# Altium PCB mother_board.PcbDoc (part 3 of 5) (continued)
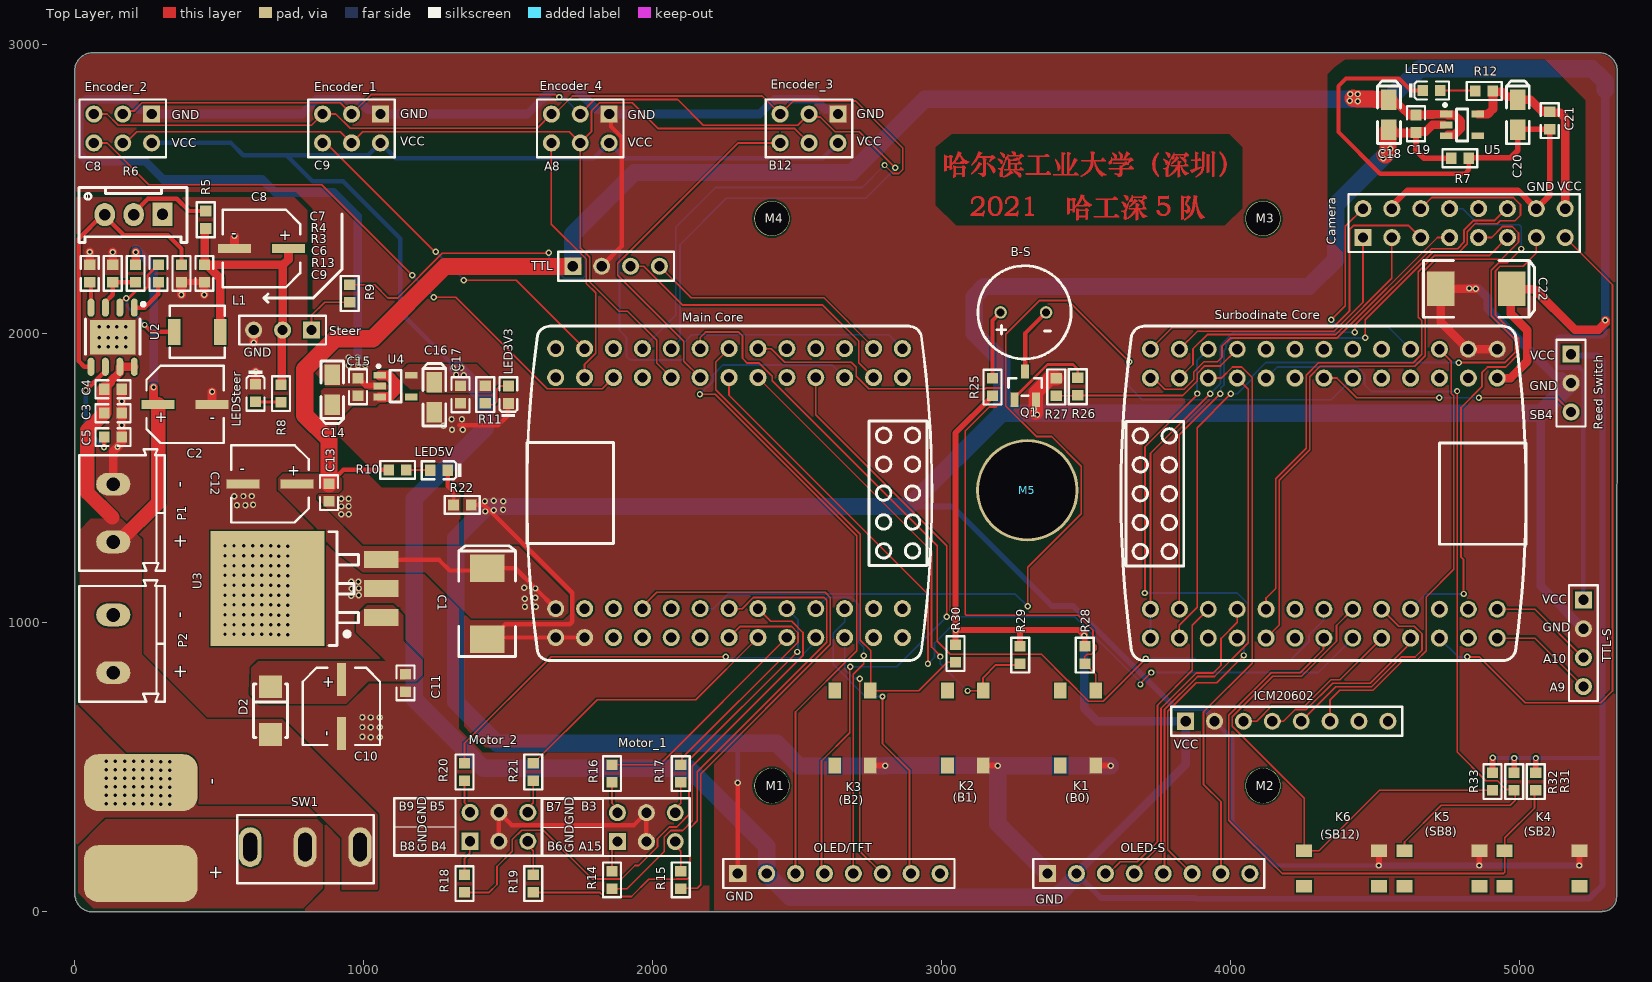
[diagram p0: Top Layer view]
## Nets (pads, with @x,y where several pads share a name; then routed paths per layer and width w, separated by ;. In a path a pad name is that pad's centre, name@x,y a point inside that pad or via, vN(x,y) a via of type N, cw(c..) or ccw(c..) an arc to the next point about the centre after c; other vN are vias at no path point) (continued)
; 3199.7,2600.25 3210.2,2600.25 ; 3200.75,2434.35 3209.15,2434.35 ; 3200.75,2435.4 3209.15,2435.4 ; 3200.75,2436.45 3209.15,2436.45 ; 3200.75,2437.5 3209.15,2437.5 ; 3200.75,2438.55 3209.15,2438.55 ; 3200.75,2439.6 3209.15,2439.6 ; 3200.75,2440.65 3209.15,2440.65 ; 3200.75,2441.7 3209.15,2441.7 ; 3200.75,2442.75 3209.15,2442.75 ; 3200.75,2443.8 3209.15,2443.8 ; 3200.75,2444.85 3209.15,2444.85 ; 3200.75,2445.9 3209.15,2445.9 ; 3200.75,2446.95 3209.15,2446.95 ; 3200.75,2448 3209.15,2448 ; 3200.75,2449.05 3209.15,2449.05 ; 3200.75,2450.1 3209.15,2450.1 ; 3200.75,2451.15 3209.15,2451.15 ; 3200.75,2452.2 3209.15,2452.2 ; 3200.75,2548.8 3211.25,2548.8 ; 3200.75,2549.85 3211.25,2549.85 ; 3200.75,2550.9 3211.25,2550.9 ; 3200.75,2551.95 3211.25,2551.95 ; 3200.75,2553 3211.25,2553 ; 3200.75,2554.05 3211.25,2554.05 ; 3200.75,2570.85 3211.25,2570.85 ; 3200.75,2598.15 3211.25,2598.15 ; 3200.75,2599.2 3210.2,2599.2 ; 3201.8,2546.7 3211.25,2546.7 ; 3201.8,2547.75 3211.25,2547.75 ; 3201.8,2555.1 3211.25,2555.1 ; 3201.8,2556.15 3211.25,2556.15 ; 3201.8,2557.2 3211.25,2557.2 ; 3201.8,2569.8 3211.25,2569.8 ; 3201.8,2597.1 3211.25,2597.1 ; 3202.85,2545.65 3211.25,2545.65 ; 3202.85,2558.25 3211.25,2558.25 ; 3202.85,2559.3 3211.25,2559.3 ; 3202.85,2560.35 3211.25,2560.35 ; 3202.85,2561.4 3211.25,2561.4 ; 3202.85,2568.75 3211.25,2568.75 ; 3202.85,2574 3212.3,2574 ; 3202.85,2595 3210.2,2595 ; 3202.85,2596.05 3211.25,2596.05 ; 3202.85,2626.5 3209.15,2626.5 ; 3202.85,2627.55 3207.05,2627.55 ; 3202.85,2628.6 3204.95,2628.6 ; 3203.9,2562.45 3211.25,2562.45 ; 3203.9,2563.5 3211.25,2563.5 ; 3203.9,2564.55 3211.25,2564.55 ; 3203.9,2565.6 3211.25,2565.6 ; 3203.9,2566.65 3211.25,2566.65 ; 3203.9,2567.7 3211.25,2567.7 ; 3203.9,2592.9 3210.2,2592.9 ; 3203.9,2593.95 3210.2,2593.95 ; 3203.9,2625.45 3211.25,2625.45 ; 3204.95,2544.6 3210.2,2544.6 ; 3204.95,2590.8 3209.15,2590.8 ; 3204.95,2591.85 3209.15,2591.85 ; 3204.95,2624.4 3213.35,2624.4 ; 3206,2575.05 3212.3,2575.05 ; 3206,2622.3 3217.55,2622.3 ; 3206,2623.35 3215.45,2623.35 ; 3207.05,2576.1 3213.35,2576.1 ; 3207.05,2621.25 3218.6,2621.25 ; 3208.1,2577.15 3213.35,2577.15 ; 3208.1,2578.2 3213.35,2578.2 ; 3208.1,2619.15 3218.6,2619.15 ; 3208.1,2620.2 3218.6,2620.2 ; 3209.15,2579.25 3214.4,2579.25 ; 3209.15,2580.3 3214.4,2580.3 ; 3209.15,2618.1 3218.6,2618.1 ; 3210.2,2581.35 3214.4,2581.35 ; 3210.2,2582.4 3215.45,2582.4 ; 3210.2,2616 3218.6,2616 ; 3210.2,2617.05 3218.6,2617.05 ; 3211.25,2583.45 3215.45,2583.45 ; 3211.25,2584.5 3215.45,2584.5 ; 3211.25,2613.9 3217.55,2613.9 ; 3211.25,2614.95 3218.6,2614.95 ; 3212.3,2585.55 3216.5,2585.55 ; 3212.3,2586.6 3216.5,2586.6 ; 3212.3,2611.8 3216.5,2611.8 ; 3212.3,2612.85 3217.55,2612.85 ; 3213.35,2543.55 3218.6,2543.55 ; 3213.35,2587.65 3217.55,2587.65 ; 3213.35,2588.7 3217.55,2588.7 ; 3213.35,2610.75 3215.45,2610.75 ; 3214.4,2542.5 3215.45,2542.5 ; 3214.4,2589.75 3217.55,2589.75 ; 3214.4,2590.8 3218.6,2590.8 ; 3215.45,2544.6 3220.7,2544.6 ; 3215.45,2591.85 3218.6,2591.85 ; 3215.45,2592.9 3218.6,2592.9 ; 3216.5,2545.65 3223.85,2545.65 ; 3216.5,2567.7 3283.7,2567.7 ; 3216.5,2568.75 3283.7,2568.75 ; 3216.5,2569.8 3282.65,2569.8 ; 3216.5,2593.95 3219.65,2593.95 ; 3216.5,2595 3219.65,2595 ; 3216.5,2596.05 3219.65,2596.05 ; 3217.55,2597.1 3220.7,2597.1 ; 3217.55,2598.15 3220.7,2598.15 ; 3218.6,2411.25 3263.75,2411.25 ; 3218.6,2412.3 3263.75,2412.3 ; 3218.6,2413.35 3263.75,2413.35 ; 3218.6,2414.4 3263.75,2414.4 ; 3218.6,2546.7 3225.95,2546.7 ; 3218.6,2599.2 3221.75,2599.2 ; 3218.6,2600.25 3221.75,2600.25 ; 3219.65,2415.45 3264.8,2415.45 ; 3219.65,2547.75 3228.05,2547.75 ; 3219.65,2601.3 3221.75,2601.3 ; 3219.65,2602.35 3222.8,2602.35 ; 3219.65,2605.5 3228.05,2605.5 ; 3219.65,2606.55 3229.1,2606.55 ; 3219.65,2607.6 3230.15,2607.6 ; 3219.65,2608.65 3230.15,2608.65 ; 3220.7,2416.5 3264.8,2416.5 ; 3220.7,2452.2 3224.9,2452.2 ; 3220.7,2453.25 3224.9,2453.25 ; 3220.7,2454.3 3224.9,2454.3 ; 3220.7,2455.35 3224.9,2455.35 ; 3220.7,2456.4 3224.9,2456.4 ; 3220.7,2457.45 3224.9,2457.45 ; 3220.7,2458.5 3224.9,2458.5 ; 3220.7,2459.55 3224.9,2459.55 ; 3220.7,2460.6 3225.95,2460.6 ; 3220.7,2461.65 3225.95,2461.65 ; 3220.7,2462.7 3225.95,2462.7 ; 3220.7,2548.8 3230.15,2548.8 ; 3220.7,2603.4 3222.8,2603.4 ; 3220.7,2604.45 3225.95,2604.45 ; 3220.7,2609.7 3231.2,2609.7 ; 3221.75,2463.75 3227,2463.75 ; 3221.75,2464.8 3227,2464.8 ; 3221.75,2610.75 3231.2,2610.75 ; 3222.8,2417.55 3264.8,2417.55 ; 3222.8,2465.85 3228.05,2465.85 ; 3222.8,2466.9 3229.1,2466.9 ; 3222.8,2549.85 3231.2,2549.85 ; 3222.8,2611.8 3231.2,2611.8 ; 3223.85,2418.6 3230.15,2418.6 ; 3223.85,2467.95 3230.15,2467.95 ; 3223.85,2550.9 3233.3,2550.9 ; 3223.85,2612.85 3231.2,2612.85 ; 3224.9,2419.65 3232.25,2419.65 ; 3224.9,2469 3231.2,2469 ; 3224.9,2470.05 3233.3,2470.05 ; 3224.9,2551.95 3235.4,2551.95 ; 3224.9,2613.9 3231.2,2613.9 ; 3225.95,2420.7 3233.3,2420.7 ; 3225.95,2471.1 3235.4,2471.1 ; 3225.95,2553 3236.45,2553 ; 3225.95,2614.95 3231.2,2614.95 ; 3227,2554.05 3238.55,2554.05 ; 3227,2616 3283.7,2616 ; 3227,2617.05 3282.65,2617.05 ; 3228.05,2421.75 3235.4,2421.75 ; 3228.05,2472.15 3259.55,2472.15 ; 3228.05,2618.1 3282.65,2618.1 ; 3228.05,2619.15 3231.2,2619.15 ; 3228.05,2620.2 3231.2,2620.2 ; 3229.1,2422.8 3236.45,2422.8 ; 3229.1,2473.2 3257.45,2473.2 ; 3229.1,2555.1 3240.65,2555.1 ; 3229.1,2621.25 3231.2,2621.25 ; 3229.1,2622.3 3231.2,2622.3 ; 3230.15,2423.85 3238.55,2423.85 ; 3230.15,2556.15 3241.7,2556.15 ; 3230.15,2570.85 3237.5,2570.85 ; 3230.15,2571.9 3237.5,2571.9 ; 3230.15,2572.95 3237.5,2572.95 ; 3230.15,2574 3237.5,2574 ; 3230.15,2575.05 3237.5,2575.05 ; 3230.15,2576.1 3237.5,2576.1 ; 3230.15,2577.15 3237.5,2577.15 ; 3230.15,2578.2 3237.5,2578.2 ; 3230.15,2579.25 3237.5,2579.25 ; 3230.15,2580.3 3237.5,2580.3 ; 3230.15,2581.35 3237.5,2581.35 ; 3230.15,2582.4 3237.5,2582.4 ; 3230.15,2583.45 3237.5,2583.45 ; 3230.15,2584.5 3237.5,2584.5 ; 3230.15,2585.55 3237.5,2585.55 ; 3230.15,2586.6 3237.5,2586.6 ; 3230.15,2587.65 3237.5,2587.65 ; 3230.15,2588.7 3277.4,2588.7 ; 3230.15,2589.75 3277.4,2589.75 ; 3230.15,2590.8 3276.35,2590.8 ; 3230.15,2591.85 3237.5,2591.85 ; 3230.15,2592.9 3237.5,2592.9 ; 3230.15,2593.95 3237.5,2593.95 ; 3230.15,2595 3237.5,2595 ; 3230.15,2596.05 3237.5,2596.05 ; 3230.15,2597.1 3237.5,2597.1 ; 3230.15,2598.15 3237.5,2598.15 ; 3230.15,2599.2 3237.5,2599.2 ; 3230.15,2600.25 3250.1,2600.25 ; 3230.15,2601.3 3258.5,2601.3 ; 3230.15,2602.35 3238.55,2602.35 ; 3230.15,2603.4 3236.45,2603.4 ; 3230.15,2604.45 3235.4,2604.45 ; 3230.15,2605.5 3233.3,2605.5 ; 3230.15,2606.55 3231.2,2606.55 ; 3231.2,2474.25 3256.4,2474.25 ; 3231.2,2557.2 3246.95,2557.2 ; 3232.25,2424.9 3239.6,2424.9 ; 3232.25,2558.25 3246.95,2558.25 ; 3233.3,2425.95 3240.65,2425.95 ; 3233.3,2475.3 3254.3,2475.3 ; 3233.3,2559.3 3245.9,2559.3 ; 3234.35,2427 3242.75,2427 ; 3234.35,2560.35 3244.85,2560.35 ; 3235.4,2428.05 3243.8,2428.05 ; 3235.4,2561.4 3243.8,2561.4 ; 3236.45,2476.35 3251.15,2476.35 ; 3236.45,2562.45 3241.7,2562.45 ; 3236.45,2563.5 3240.65,2563.5 ; 3237.5,2429.1 3245.9,2429.1 ; 3237.5,2564.55 3238.55,2564.55 ; 3238.55,2430.15 3246.95,2430.15 ; 3239.6,2431.2 3248,2431.2 ; 3239.6,2602.35 3270.05,2602.35 ; 3240.65,2432.25 3250.1,2432.25 ; 3241.7,2433.3 3251.15,2433.3 ; 3242.75,2434.35 3252.2,2434.35 ; 3242.75,2603.4 3269,2603.4 ; 3242.75,2630.7 3249.05,2630.7 ; 3242.75,2631.75 3244.85,2631.75 ; 3243.8,2629.65 3252.2,2629.65 ; 3244.85,2435.4 3253.25,2435.4 ; 3244.85,2627.55 3255.35,2627.55 ; 3244.85,2628.6 3254.3,2628.6 ; 3245.9,2436.45 3254.3,2436.45 ; 3245.9,2626.5 3256.4,2626.5 ; 3246.95,2437.5 3256.4,2437.5 ; 3246.95,2471.1 3260.6,2471.1 ; 3246.95,2604.45 3267.95,2604.45 ; 3246.95,2624.4 3256.4,2624.4 ; 3246.95,2625.45 3256.4,2625.45 ; 3248,2438.55 3257.45,2438.55 ; 3248,2621.25 3256.4,2621.25 ; 3248,2622.3 3256.4,2622.3 ; 3248,2623.35 3256.4,2623.35 ; 3249.05,2439.6 3258.5,2439.6 ; 3249.05,2470.05 3261.65,2470.05 ; 3249.05,2563.5 3255.35,2563.5 ; 3249.05,2564.55 3252.2,2564.55 ; 3249.05,2619.15 3255.35,2619.15 ; 3249.05,2620.2 3255.35,2620.2 ; 3250.1,2440.65 3259.55,2440.65 ; 3250.1,2441.7 3259.55,2441.7 ; 3250.1,2562.45 3258.5,2562.45 ; 3250.1,2605.5 3267.95,2605.5 ; 3251.15,2442.75 3260.6,2442.75 ; 3251.15,2469 3261.65,2469 ; 3251.15,2561.4 3260.6,2561.4 ; 3252.2,2443.8 3261.65,2443.8 ; 3252.2,2467.95 3262.7,2467.95 ; 3252.2,2570.85 3259.55,2570.85 ; 3252.2,2571.9 3259.55,2571.9 ; 3252.2,2572.95 3259.55,2572.95 ; 3252.2,2574 3259.55,2574 ; 3252.2,2575.05 3259.55,2575.05 ; 3252.2,2576.1 3259.55,2576.1 ; 3252.2,2577.15 3259.55,2577.15 ; 3252.2,2578.2 3259.55,2578.2 ; 3252.2,2579.25 3259.55,2579.25 ; 3252.2,2580.3 3259.55,2580.3 ; 3252.2,2581.35 3259.55,2581.35 ; 3252.2,2582.4 3259.55,2582.4 ; 3252.2,2583.45 3259.55,2583.45 ; 3252.2,2584.5 3259.55,2584.5 ; 3252.2,2585.55 3259.55,2585.55 ; 3252.2,2586.6 3259.55,2586.6 ; 3252.2,2587.65 3259.55,2587.65 ; 3253.25,2444.85 3262.7,2444.85 ; 3253.25,2445.9 3262.7,2445.9 ; 3253.25,2466.9 3263.75,2466.9 ; 3253.25,2560.35 3263.75,2560.35 ; 3253.25,2606.55 3266.9,2606.55 ; 3254.3,2446.95 3263.75,2446.95 ; 3254.3,2448 3263.75,2448 ; 3254.3,2464.8 3264.8,2464.8 ; 3254.3,2465.85 3263.75,2465.85 ; 3254.3,2559.3 3265.85,2559.3 ; 3255.35,2449.05 3264.8,2449.05 ; 3255.35,2450.1 3264.8,2450.1 ; 3255.35,2462.7 3264.8,2462.7 ; 3255.35,2463.75 3264.8,2463.75 ; 3255.35,2558.25 3267.95,2558.25 ; 3256.4,2451.15 3264.8,2451.15 ; 3256.4,2452.2 3264.8,2452.2 ; 3256.4,2453.25 3265.85,2453.25 ; 3256.4,2454.3 3265.85,2454.3 ; 3256.4,2455.35 3265.85,2455.35 ; 3256.4,2456.4 3265.85,2456.4 ; 3256.4,2457.45 3265.85,2457.45 ; 3256.4,2458.5 3265.85,2458.5 ; 3256.4,2459.55 3265.85,2459.55 ; 3256.4,2460.6 3265.85,2460.6 ; 3256.4,2461.65 3264.8,2461.65 ; 3256.4,2607.6 3265.85,2607.6 ; 3257.45,2557.2 3270.05,2557.2 ; 3258.5,2418.6 3264.8,2418.6 ; 3258.5,2556.15 3271.1,2556.15 ; 3258.5,2608.65 3264.8,2608.65 ; 3259.55,2409.15 3262.7,2409.15 ; 3259.55,2410.2 3263.75,2410.2 ; 3259.55,2555.1 3273.2,2555.1 ; 3260.6,2419.65 3264.8,2419.65 ; 3260.6,2420.7 3264.8,2420.7 ; 3260.6,2554.05 3274.25,2554.05 ; 3261.65,2421.75 3265.85,2421.75 ; 3261.65,2422.8 3265.85,2422.8 ; 3261.65,2423.85 3265.85,2423.85 ; 3261.65,2424.9 3265.85,2424.9 ; 3261.65,2553 3274.25,2553 ; 3261.65,2609.7 3263.75,2609.7 ; 3262.7,2425.95 3265.85,2425.95 ; 3262.7,2551.95 3274.25,2551.95 ; 3263.75,2550.9 3275.3,2550.9 ; 3263.75,2591.85 3275.3,2591.85 ; 3264.8,2548.8 3275.3,2548.8 ; 3264.8,2549.85 3275.3,2549.85 ; 3264.8,2592.9 3274.25,2592.9 ; 3265.85,2547.75 3275.3,2547.75 ; 3265.85,2593.95 3273.2,2593.95 ; 3265.85,2595 3272.15,2595 ; 3266.9,2545.65 3274.25,2545.65 ; 3266.9,2546.7 3274.25,2546.7 ; 3266.9,2596.05 3271.1,2596.05 ; 3267.95,2544.6 3274.25,2544.6 ; 3267.95,2597.1 3269,2597.1 ; 3267.95,2607.6 3271.1,2607.6 ; 3267.95,2608.65 3272.15,2608.65 ; 3269,2543.55 3273.2,2543.55 ; 3269,2570.85 3281.6,2570.85 ; 3269,2609.7 3273.2,2609.7 ; 3269,2610.75 3274.25,2610.75 ; 3269,2611.8 3275.3,2611.8 ; 3270.05,2571.9 3280.55,2571.9 ; 3270.05,2612.85 3276.35,2612.85 ; 3270.05,2613.9 3279.5,2613.9 ; 3270.05,2614.95 3283.7,2614.95 ; 3270.05,2619.15 3280.55,2619.15 ; 3271.1,2572.95 3279.5,2572.95 ; 3271.1,2574 3278.45,2574 ; 3271.1,2620.2 3279.5,2620.2 ; 3272.15,2575.05 3277.4,2575.05 ; 3272.15,2576.1 3275.3,2576.1 ; 3272.15,2621.25 3278.45,2621.25 ; 3272.15,2622.3 3277.4,2622.3 ; 3273.2,2623.35 3275.3,2623.35 ; 3288.95,2411.25 3319.4,2411.25 ; 3288.95,2412.3 3319.4,2412.3 ; 3288.95,2413.35 3319.4,2413.35 ; 3288.95,2414.4 3319.4,2414.4 ; 3288.95,2466.9 3308.9,2466.9 ; 3288.95,2467.95 3308.9,2467.95 ; 3288.95,2469 3308.9,2469 ; 3288.95,2470.05 3308.9,2470.05 ; 3291.05,2554.05 3378.2,2554.05 ; 3291.05,2555.1 3378.2,2555.1 ; 3292.1,2553 3378.2,2553 ; 3294.2,2471.1 3308.9,2471.1 ; 3297.35,2472.15 3308.9,2472.15 ; 3298.4,2415.45 3311,2415.45 ; 3298.4,2616 3371.9,2616 ; 3299.45,2416.5 3309.95,2416.5 ; 3299.45,2613.9 3372.95,2613.9 ; 3299.45,2614.95 3372.95,2614.95 ; 3300.5,2417.55 3308.9,2417.55 ; 3300.5,2418.6 3308.9,2418.6 ; 3300.5,2419.65 3308.9,2419.65 ; 3300.5,2473.2 3308.9,2473.2 ; 3301.55,2420.7 3308.9,2420.7 ; 3301.55,2421.75 3308.9,2421.75 ; 3301.55,2422.8 3308.9,2422.8 ; 3301.55,2423.85 3308.9,2423.85 ; 3301.55,2424.9 3308.9,2424.9 ; 3301.55,2425.95 3308.9,2425.95 ; 3301.55,2427 3308.9,2427 ; 3301.55,2428.05 3308.9,2428.05 ; 3301.55,2429.1 3308.9,2429.1 ; 3301.55,2430.15 3308.9,2430.15 ; 3301.55,2431.2 3308.9,2431.2 ; 3301.55,2432.25 3308.9,2432.25 ; 3301.55,2433.3 3308.9,2433.3 ; 3301.55,2434.35 3308.9,2434.35 ; 3301.55,2435.4 3308.9,2435.4 ; 3301.55,2436.45 3308.9,2436.45 ; 3301.55,2437.5 3308.9,2437.5 ; 3301.55,2438.55 3308.9,2438.55 ; 3301.55,2439.6 3308.9,2439.6 ; 3301.55,2440.65 3308.9,2440.65 ; 3301.55,2441.7 3308.9,2441.7 ; 3301.55,2442.75 3308.9,2442.75 ; 3301.55,2443.8 3308.9,2443.8 ; 3301.55,2444.85 3308.9,2444.85 ; 3301.55,2445.9 3308.9,2445.9 ; 3301.55,2446.95 3308.9,2446.95 ; 3301.55,2448 3308.9,2448 ; 3301.55,2449.05 3308.9,2449.05 ; 3301.55,2450.1 3308.9,2450.1 ; 3301.55,2451.15 3308.9,2451.15 ; 3301.55,2452.2 3308.9,2452.2 ; 3301.55,2453.25 3308.9,2453.25 ; 3301.55,2454.3 3308.9,2454.3 ; 3301.55,2455.35 3308.9,2455.35 ; 3301.55,2456.4 3308.9,2456.4 ; 3301.55,2457.45 3308.9,2457.45 ; 3301.55,2458.5 3308.9,2458.5 ; 3301.55,2459.55 3308.9,2459.55 ; 3301.55,2460.6 3308.9,2460.6 ; 3301.55,2461.65 3308.9,2461.65 ; 3301.55,2462.7 3308.9,2462.7 ; 3301.55,2463.75 3308.9,2463.75 ; 3301.55,2464.8 3308.9,2464.8 ; 3301.55,2465.85 3308.9,2465.85 ; 3302.6,2474.25 3308.9,2474.25 ; 3304.7,2475.3 3308.9,2475.3 ; 3329.9,2556.15 3338.3,2556.15 ; 3329.9,2557.2 3338.3,2557.2 ; 3329.9,2558.25 3338.3,2558.25 ; 3329.9,2559.3 3338.3,2559.3 ; 3329.9,2560.35 3338.3,2560.35 ; 3329.9,2561.4 3338.3,2561.4 ; 3329.9,2562.45 3338.3,2562.45 ; 3329.9,2563.5 3338.3,2563.5 ; 3329.9,2564.55 3338.3,2564.55 ; 3329.9,2565.6 3338.3,2565.6 ; 3329.9,2566.65 3338.3,2566.65 ; 3329.9,2567.7 3338.3,2567.7 ; 3329.9,2568.75 3338.3,2568.75 ; 3329.9,2569.8 3338.3,2569.8 ; 3329.9,2570.85 3338.3,2570.85 ; 3329.9,2571.9 3338.3,2571.9 ; 3329.9,2572.95 3338.3,2572.95 ; 3329.9,2574 3338.3,2574 ; 3329.9,2575.05 3338.3,2575.05 ; 3329.9,2576.1 3338.3,2576.1 ; 3329.9,2577.15 3338.3,2577.15 ; 3329.9,2578.2 3338.3,2578.2 ; 3329.9,2579.25 3338.3,2579.25 ; 3329.9,2580.3 3338.3,2580.3 ; 3329.9,2581.35 3338.3,2581.35 ; 3329.9,2582.4 3338.3,2582.4 ; 3329.9,2583.45 3338.3,2583.45 ; 3329.9,2584.5 3338.3,2584.5 ; 3329.9,2585.55 3338.3,2585.55 ; 3329.9,2586.6 3338.3,2586.6 ; 3329.9,2587.65 3338.3,2587.65 ; 3329.9,2588.7 3338.3,2588.7 ; 3329.9,2589.75 3338.3,2589.75 ; 3329.9,2590.8 3338.3,2590.8 ; 3329.9,2591.85 3338.3,2591.85 ; 3329.9,2592.9 3338.3,2592.9 ; 3329.9,2593.95 3338.3,2593.95 ; 3329.9,2595 3338.3,2595 ; 3329.9,2596.05 3338.3,2596.05 ; 3329.9,2597.1 3338.3,2597.1 ; 3329.9,2598.15 3338.3,2598.15 ; 3329.9,2599.2 3338.3,2599.2 ; 3329.9,2600.25 3338.3,2600.25 ; 3329.9,2601.3 3338.3,2601.3 ; 3329.9,2602.35 3338.3,2602.35 ; 3329.9,2603.4 3338.3,2603.4 ; 3329.9,2604.45 3338.3,2604.45 ; 3329.9,2605.5 3338.3,2605.5 ; 3329.9,2606.55 3338.3,2606.55 ; 3329.9,2607.6 3338.3,2607.6 ; 3329.9,2608.65 3338.3,2608.65 ; 3329.9,2609.7 3338.3,2609.7 ; 3329.9,2610.75 3338.3,2610.75 ; 3329.9,2611.8 3338.3,2611.8 ; 3329.9,2612.85 3338.3,2612.85 ; 3356.15,2617.05 3370.85,2617.05 ; 3357.2,2618.1 3369.8,2618.1 ; 3358.25,2619.15 3368.75,2619.15 ; 3359.3,2620.2 3367.7,2620.2 ; 3360.35,2621.25 3366.65,2621.25 ; 3361.4,2556.15 3377.15,2556.15 ; 3361.4,2622.3 3365.6,2622.3 ; 3362.45,2557.2 3376.1,2557.2 ; 3363.5,2558.25 3374,2558.25 ; 3363.5,2559.3 3372.95,2559.3 ; 3364.55,2560.35 3371.9,2560.35 ; 3365.6,2561.4 3370.85,2561.4 ; 3365.6,2562.45 3369.8,2562.45 ; 3386.6,2550.9 3472.7,2550.9 ; 3386.6,2551.95 3472.7,2551.95 ; 3387.65,2549.85 3473.75,2549.85 ; 3392.9,2602.35 3396.05,2602.35 ; 3392.9,2603.4 3396.05,2603.4 ; 3392.9,2604.45 3395,2604.45 ; 3392.9,2605.5 3393.95,2605.5 ; 3393.95,2600.25 3398.15,2600.25 ; 3393.95,2601.3 3397.1,2601.3 ; 3395,2597.1 3400.25,2597.1 ; 3395,2598.15 3399.2,2598.15 ; 3395,2599.2 3399.2,2599.2 ; 3396.05,2595 3402.35,2595 ; 3396.05,2596.05 3401.3,2596.05 ; 3397.1,2591.85 3404.45,2591.85 ; 3397.1,2592.9 3403.4,2592.9 ; 3397.1,2593.95 3402.35,2593.95 ; 3398.15,2587.65 3406.55,2587.65 ; 3398.15,2588.7 3406.55,2588.7 ; 3398.15,2589.75 3405.5,2589.75 ; 3398.15,2590.8 3404.45,2590.8 ; 3399.2,2584.5 3408.65,2584.5 ; 3399.2,2585.55 3407.6,2585.55 ; 3399.2,2586.6 3407.6,2586.6 ; 3400.25,2578.2 3410.75,2578.2 ; 3400.25,2579.25 3410.75,2579.25 ; 3400.25,2580.3 3409.7,2580.3 ; 3400.25,2581.35 3409.7,2581.35 ; 3400.25,2582.4 3409.7,2582.4 ; 3400.25,2583.45 3408.65,2583.45 ; 3401.3,2567.7 3405.5,2567.7 ; 3401.3,2568.75 3406.55,2568.75 ; 3401.3,2569.8 3407.6,2569.8 ; 3401.3,2570.85 3408.65,2570.85 ; 3401.3,2571.9 3408.65,2571.9 ; 3401.3,2572.95 3409.7,2572.95 ; 3401.3,2574 3409.7,2574 ; 3401.3,2575.05 3409.7,2575.05 ; 3401.3,2576.1 3410.75,2576.1 ; 3401.3,2577.15 3410.75,2577.15 ; 3402.35,2566.65 3404.45,2566.65 ; 3416,2553 3423.35,2553 ; 3416,2554.05 3423.35,2554.05 ; 3416,2555.1 3423.35,2555.1 ; 3416,2556.15 3423.35,2556.15 ; 3416,2557.2 3423.35,2557.2 ; 3416,2558.25 3423.35,2558.25 ; 3416,2559.3 3423.35,2559.3 ; 3416,2560.35 3423.35,2560.35 ; 3416,2561.4 3423.35,2561.4 ; 3416,2562.45 3423.35,2562.45 ; 3416,2563.5 3423.35,2563.5 ; 3416,2564.55 3423.35,2564.55 ; 3416,2565.6 3423.35,2565.6 ; 3416,2566.65 3423.35,2566.65 ; 3416,2567.7 3423.35,2567.7 ; 3416,2568.75 3423.35,2568.75 ; 3416,2569.8 3423.35,2569.8 ; 3416,2570.85 3423.35,2570.85 ; 3416,2571.9 3423.35,2571.9 ; 3416,2572.95 3423.35,2572.95 ; 3416,2574 3423.35,2574 ; 3416,2575.05 3423.35,2575.05 ; 3416,2576.1 3423.35,2576.1 ; 3416,2577.15 3423.35,2577.15 ; 3416,2578.2 3423.35,2578.2 ; 3416,2579.25 3423.35,2579.25 ; 3416,2580.3 3423.35,2580.3 ; 3416,2581.35 3423.35,2581.35 ; 3416,2582.4 3423.35,2582.4 ; 3416,2583.45 3423.35,2583.45 ; 3416,2584.5 3423.35,2584.5 ; 3416,2585.55 3423.35,2585.55 ; 3416,2586.6 3423.35,2586.6 ; 3416,2587.65 3423.35,2587.65 ; 3416,2588.7 3423.35,2588.7 ; 3416,2589.75 3423.35,2589.75 ; 3416,2590.8 3423.35,2590.8 ; 3416,2591.85 3423.35,2591.85 ; 3416,2592.9 3423.35,2592.9 ; 3416,2593.95 3423.35,2593.95 ; 3416,2595 3423.35,2595 ; 3416,2596.05 3423.35,2596.05 ; 3416,2597.1 3423.35,2597.1 ; 3416,2598.15 3423.35,2598.15 ; 3416,2599.2 3423.35,2599.2 ; 3416,2600.25 3423.35,2600.25 ; 3416,2601.3 3423.35,2601.3 ; 3416,2602.35 3423.35,2602.35 ; 3416,2603.4 3423.35,2603.4 ; 3416,2604.45 3423.35,2604.45 ; 3416,2605.5 3423.35,2605.5 ; 3416,2606.55 3423.35,2606.55 ; 3416,2607.6 3423.35,2607.6 ; 3416,2608.65 3423.35,2608.65 ; 3416,2609.7 3423.35,2609.7 ; 3416,2610.75 3423.35,2610.75 ; 3416,2611.8 3423.35,2611.8 ; 3416,2612.85 3423.35,2612.85 ; 3416,2613.9 3423.35,2613.9 ; 3416,2614.95 3423.35,2614.95 ; 3416,2616 3423.35,2616 ; 3416,2617.05 3423.35,2617.05 ; 3416,2618.1 3423.35,2618.1 ; 3416,2619.15 3423.35,2619.15 ; 3416,2620.2 3423.35,2620.2 ; 3416,2621.25 3423.35,2621.25 ; 3416,2622.3 3424.4,2622.3 ; 3416,2623.35 3426.5,2623.35 ; 3416,2624.4 3427.55,2624.4 ; 3416,2625.45 3427.55,2625.45 ; 3416,2626.5 3426.5,2626.5 ; 3416,2627.55 3422.3,2627.55 ; 3416,2628.6 3418.1,2628.6 ; 3434.9,2416.5 3439.1,2416.5 ; 3434.9,2417.55 3441.2,2417.55 ; 3434.9,2418.6 3442.25,2418.6 ; 3434.9,2419.65 3443.3,2419.65 ; 3434.9,2420.7 3443.3,2420.7 ; 3434.9,2421.75 3443.3,2421.75 ; 3434.9,2422.8 3443.3,2422.8 ; 3434.9,2423.85 3443.3,2423.85 ; 3434.9,2424.9 3443.3,2424.9 ; 3434.9,2425.95 3443.3,2425.95 ; 3434.9,2427 3443.3,2427 ; 3434.9,2428.05 3443.3,2428.05 ; 3434.9,2429.1 3461.15,2429.1 ; 3434.9,2430.15 3461.15,2430.15 ; 3434.9,2431.2 3461.15,2431.2 ; 3434.9,2432.25 3443.3,2432.25 ; 3434.9,2433.3 3443.3,2433.3 ; 3434.9,2434.35 3443.3,2434.35 ; 3434.9,2435.4 3443.3,2435.4 ; 3434.9,2436.45 3443.3,2436.45 ; 3434.9,2437.5 3443.3,2437.5 ; 3434.9,2438.55 3443.3,2438.55 ; 3434.9,2439.6 3443.3,2439.6 ; 3434.9,2440.65 3443.3,2440.65 ; 3434.9,2441.7 3443.3,2441.7 ; 3434.9,2442.75 3443.3,2442.75 ; 3434.9,2443.8 3443.3,2443.8 ; 3434.9,2444.85 3443.3,2444.85 ; 3434.9,2445.9 3443.3,2445.9 ; 3434.9,2446.95 3443.3,2446.95 ; 3434.9,2448 3443.3,2448 ; 3434.9,2449.05 3443.3,2449.05 ; 3434.9,2450.1 3443.3,2450.1 ; 3434.9,2451.15 3443.3,2451.15 ; 3434.9,2452.2 3443.3,2452.2 ; 3434.9,2453.25 3443.3,2453.25 ; 3434.9,2454.3 3443.3,2454.3 ; 3434.9,2455.35 3443.3,2455.35 ; 3434.9,2456.4 3443.3,2456.4 ; 3434.9,2457.45 3443.3,2457.45 ; 3434.9,2458.5 3443.3,2458.5 ; 3434.9,2459.55 3443.3,2459.55 ; 3434.9,2460.6 3443.3,2460.6 ; 3434.9,2461.65 3443.3,2461.65 ; 3434.9,2462.7 3443.3,2462.7 ; 3434.9,2463.75 3443.3,2463.75 ; 3434.9,2464.8 3463.25,2464.8 ; 3434.9,2465.85 3464.3,2465.85 ; 3434.9,2466.9 3464.3,2466.9 ; 3434.9,2467.95 3443.3,2467.95 ; 3434.9,2469 3441.2,2469 ; 3434.9,2470.05 3439.1,2470.05 ; 3434.9,2471.1 3435.95,2471.1 ; 3434.9,2553 3442.25,2553 ; 3434.9,2554.05 3442.25,2554.05 ; 3434.9,2555.1 3442.25,2555.1 ; 3434.9,2556.15 3442.25,2556.15 ; 3434.9,2557.2 3442.25,2557.2 ; 3434.9,2558.25 3442.25,2558.25 ; 3434.9,2559.3 3442.25,2559.3 ; 3434.9,2560.35 3442.25,2560.35 ; 3434.9,2561.4 3442.25,2561.4 ; 3434.9,2562.45 3442.25,2562.45 ; 3434.9,2563.5 3442.25,2563.5 ; 3434.9,2564.55 3442.25,2564.55 ; 3434.9,2565.6 3443.3,2565.6 ; 3434.9,2566.65 3444.35,2566.65 ; 3434.9,2567.7 3444.35,2567.7 ; 3434.9,2568.75 3445.4,2568.75 ; 3434.9,2569.8 3446.45,2569.8 ; 3434.9,2570.85 3447.5,2570.85 ; 3434.9,2571.9 3442.25,2571.9 ; 3434.9,2572.95 3442.25,2572.95 ; 3434.9,2574 3442.25,2574 ; 3434.9,2575.05 3442.25,2575.05 ; 3434.9,2576.1 3442.25,2576.1 ; 3434.9,2577.15 3442.25,2577.15 ; 3434.9,2578.2 3442.25,2578.2 ; 3434.9,2579.25 3442.25,2579.25 ; 3434.9,2580.3 3442.25,2580.3 ; 3434.9,2581.35 3442.25,2581.35 ; 3434.9,2582.4 3442.25,2582.4 ; 3434.9,2583.45 3442.25,2583.45 ; 3434.9,2584.5 3442.25,2584.5 ; 3434.9,2585.55 3442.25,2585.55 ; 3434.9,2586.6 3442.25,2586.6 ; 3434.9,2587.65 3442.25,2587.65 ; 3434.9,2588.7 3442.25,2588.7 ; 3434.9,2589.75 3442.25,2589.75 ; 3434.9,2590.8 3442.25,2590.8 ; 3434.9,2591.85 3442.25,2591.85 ; 3434.9,2592.9 3442.25,2592.9 ; 3434.9,2593.95 3442.25,2593.95 ; 3434.9,2595 3442.25,2595 ; 3434.9,2596.05 3442.25,2596.05 ; 3434.9,2597.1 3442.25,2597.1 ; 3434.9,2598.15 3442.25,2598.15 ; 3434.9,2599.2 3442.25,2599.2 ; 3434.9,2600.25 3442.25,2600.25 ; 3434.9,2601.3 3442.25,2601.3 ; 3434.9,2602.35 3442.25,2602.35 ; 3434.9,2603.4 3442.25,2603.4 ; 3434.9,2604.45 3442.25,2604.45 ; 3434.9,2605.5 3442.25,2605.5 ; 3434.9,2606.55 3442.25,2606.55 ; 3434.9,2607.6 3442.25,2607.6 ; 3434.9,2608.65 3442.25,2608.65 ; 3434.9,2609.7 3442.25,2609.7 ; 3434.9,2610.75 3442.25,2610.75 ; 3434.9,2611.8 3442.25,2611.8 ; 3434.9,2612.85 3442.25,2612.85 ; 3434.9,2613.9 3442.25,2613.9 ; 3434.9,2614.95 3442.25,2614.95 ; 3434.9,2616 3442.25,2616 ; 3434.9,2617.05 3442.25,2617.05 ; 3434.9,2618.1 3442.25,2618.1 ; 3434.9,2619.15 3442.25,2619.15 ; 3434.9,2620.2 3442.25,2620.2 ; 3434.9,2621.25 3442.25,2621.25 ; 3434.9,2622.3 3443.3,2622.3 ; 3434.9,2623.35 3445.4,2623.35 ; 3434.9,2624.4 3446.45,2624.4 ; 3434.9,2625.45 3446.45,2625.45 ; 3434.9,2626.5 3445.4,2626.5 ; 3434.9,2627.55 3443.3,2627.55 ; 3434.9,2628.6 3439.1,2628.6 ; 3444.35,2571.9 3448.55,2571.9 ; 3444.35,2572.95 3449.6,2572.95 ; 3445.4,2574 3449.6,2574 ; 3445.4,2575.05 3450.65,2575.05 ; 3446.45,2576.1 3451.7,2576.1 ; 3446.45,2577.15 3452.75,2577.15 ; 3447.5,2578.2 3452.75,2578.2 ; 3447.5,2579.25 3453.8,2579.25 ; 3448.55,2580.3 3454.85,2580.3 ; 3448.55,2581.35 3454.85,2581.35 ; 3449.6,2582.4 3455.9,2582.4 ; 3449.6,2583.45 3456.95,2583.45 ; 3450.65,2584.5 3456.95,2584.5 ; 3450.65,2585.55 3458,2585.55 ; 3450.65,2586.6 3459.05,2586.6 ; 3451.7,2467.95 3462.2,2467.95 ; 3451.7,2587.65 3459.05,2587.65 ; 3451.7,2588.7 3460.1,2588.7 ; 3452.75,2469 3460.1,2469 ; 3452.75,2589.75 3461.15,2589.75 ; 3452.75,2590.8 3461.15,2590.8 ; 3452.75,2591.85 3462.2,2591.85 ; 3453.8,2421.75 3456.95,2421.75 ; 3453.8,2422.8 3459.05,2422.8 ; 3453.8,2423.85 3461.15,2423.85 ; 3453.8,2424.9 3461.15,2424.9 ; 3453.8,2425.95 3461.15,2425.95 ; 3453.8,2427 3461.15,2427 ; 3453.8,2428.05 3461.15,2428.05 ; 3453.8,2432.25 3461.15,2432.25 ; 3453.8,2433.3 3461.15,2433.3 ; 3453.8,2434.35 3461.15,2434.35 ; 3453.8,2435.4 3461.15,2435.4 ; 3453.8,2436.45 3461.15,2436.45 ; 3453.8,2437.5 3461.15,2437.5 ; 3453.8,2438.55 3462.2,2438.55 ; 3453.8,2439.6 3463.25,2439.6 ; 3453.8,2440.65 3464.3,2440.65 ; 3453.8,2441.7 3466.4,2441.7 ; 3453.8,2442.75 3461.15,2442.75 ; 3453.8,2443.8 3461.15,2443.8 ; 3453.8,2444.85 3461.15,2444.85 ; 3453.8,2445.9 3461.15,2445.9 ; 3453.8,2446.95 3461.15,2446.95 ; 3453.8,2448 3461.15,2448 ; 3453.8,2449.05 3461.15,2449.05 ; 3453.8,2450.1 3461.15,2450.1 ; 3453.8,2451.15 3461.15,2451.15 ; 3453.8,2452.2 3461.15,2452.2 ; 3453.8,2453.25 3461.15,2453.25 ; 3453.8,2454.3 3461.15,2454.3 ; 3453.8,2455.35 3461.15,2455.35 ; 3453.8,2456.4 3461.15,2456.4 ; 3453.8,2457.45 3461.15,2457.45 ; 3453.8,2458.5 3461.15,2458.5 ; 3453.8,2459.55 3461.15,2459.55 ; 3453.8,2460.6 3461.15,2460.6 ; 3453.8,2461.65 3461.15,2461.65 ; 3453.8,2462.7 3461.15,2462.7 ; 3453.8,2463.75 3461.15,2463.75 ; 3453.8,2470.05 3459.05,2470.05 ; 3453.8,2592.9 3462.2,2592.9 ; 3453.8,2593.95 3463.25,2593.95 ; 3453.8,2595 3464.3,2595 ; 3454.85,2596.05 3464.3,2596.05 ; 3454.85,2597.1 3465.35,2597.1 ; 3454.85,2598.15 3465.35,2598.15 ; 3455.9,2599.2 3466.4,2599.2 ; 3455.9,2600.25 3467.45,2600.25 ; 3455.9,2601.3 3469.55,2601.3 ; 3456.95,2602.35 3469.55,2602.35 ; 3456.95,2603.4 3468.5,2603.4 ; 3456.95,2604.45 3466.4,2604.45 ; 3458,2553 3471.65,2553 ; 3458,2554.05 3470.6,2554.05 ; 3458,2605.5 3465.35,2605.5 ; 3458,2606.55 3463.25,2606.55 ; 3458,2607.6 3461.15,2607.6 ; 3459.05,2555.1 3469.55,2555.1 ; 3460.1,2556.15 3468.5,2556.15 ; 3461.15,2557.2 3467.45,2557.2 ; 3462.2,2442.75 3467.45,2442.75 ; 3462.2,2558.25 3465.35,2558.25 ; 3463.25,2443.8 3468.5,2443.8 ; 3463.25,2559.3 3464.3,2559.3 ; 3464.3,2444.85 3469.55,2444.85 ; 3465.35,2445.9 3470.6,2445.9 ; 3465.35,2446.95 3471.65,2446.95 ; 3466.4,2394.45 3468.5,2394.45 ; 3466.4,2395.5 3471.65,2395.5 ; 3466.4,2396.55 3473.75,2396.55 ; 3466.4,2397.6 3474.8,2397.6 ; 3466.4,2398.65 3474.8,2398.65 ; 3466.4,2399.7 3474.8,2399.7 ; 3466.4,2400.75 3474.8,2400.75 ; 3466.4,2401.8 3474.8,2401.8 ; 3466.4,2402.85 3474.8,2402.85 ; 3466.4,2403.9 3474.8,2403.9 ; 3466.4,2404.95 3474.8,2404.95 ; 3466.4,2406 3506.3,2406 ; 3466.4,2407.05 3506.3,2407.05 ; 3466.4,2408.1 3506.3,2408.1 ; 3466.4,2409.15 3474.8,2409.15 ; 3466.4,2410.2 3474.8,2410.2 ; 3466.4,2411.25 3474.8,2411.25 ; 3466.4,2412.3 3474.8,2412.3 ; 3466.4,2413.35 3474.8,2413.35 ; 3466.4,2414.4 3474.8,2414.4 ; 3466.4,2415.45 3474.8,2415.45 ; 3466.4,2416.5 3474.8,2416.5 ; 3466.4,2417.55 3474.8,2417.55 ; 3466.4,2418.6 3474.8,2418.6 ; 3466.4,2419.65 3474.8,2419.65 ; 3466.4,2420.7 3474.8,2420.7 ; 3466.4,2421.75 3474.8,2421.75 ; 3466.4,2422.8 3474.8,2422.8 ; 3466.4,2423.85 3474.8,2423.85 ; 3466.4,2424.9 3474.8,2424.9 ; 3466.4,2425.95 3474.8,2425.95 ; 3466.4,2427 3474.8,2427 ; 3466.4,2428.05 3509.45,2428.05 ; 3466.4,2429.1 3508.4,2429.1 ; 3466.4,2430.15 3507.35,2430.15 ; 3466.4,2431.2 3474.8,2431.2 ; 3466.4,2432.25 3472.7,2432.25 ; 3466.4,2433.3 3469.55,2433.3 ; 3466.4,2448 3472.7,2448 ; 3467.45,2449.05 3473.75,2449.05 ; 3468.5,2450.1 3474.8,2450.1 ; 3468.5,2451.15 3475.85,2451.15 ; 3469.55,2452.2 3475.85,2452.2 ; 3470.6,2443.8 3502.1,2443.8 ; 3470.6,2444.85 3502.1,2444.85 ; 3470.6,2453.25 3476.9,2453.25 ; 3470.6,2454.3 3477.95,2454.3 ; 3471.65,2442.75 3502.1,2442.75 ; 3471.65,2455.35 3479,2455.35 ; 3471.65,2456.4 3479,2456.4 ; 3472.7,2457.45 3480.05,2457.45 ; 3473.75,2458.5 3481.1,2458.5 ; 3473.75,2459.55 3482.15,2459.55 ; 3474.8,2460.6 3482.15,2460.6 ; 3474.8,2461.65 3483.2,2461.65 ; 3475.85,2462.7 3483.2,2462.7 ; 3475.85,2463.75 3484.25,2463.75 ; 3475.85,2464.8 3485.3,2464.8 ; 3476.9,2465.85 3485.3,2465.85 ; 3476.9,2466.9 3486.35,2466.9 ; 3477.95,2467.95 3486.35,2467.95 ; 3477.95,2469 3487.4,2469 ; 3477.95,2470.05 3487.4,2470.05 ; 3479,2471.1 3492.65,2471.1 ; 3479,2472.15 3491.6,2472.15 ; 3479,2473.2 3490.55,2473.2 ; 3480.05,2474.25 3490.55,2474.25 ; 3480.05,2475.3 3490.55,2475.3 ; 3480.05,2476.35 3491.6,2476.35 ; 3481.1,2477.4 3493.7,2477.4 ; 3481.1,2478.45 3493.7,2478.45 ; 3481.1,2479.5 3492.65,2479.5